# Altium PCB Inductive_Leveler.PcbDoc (continued)
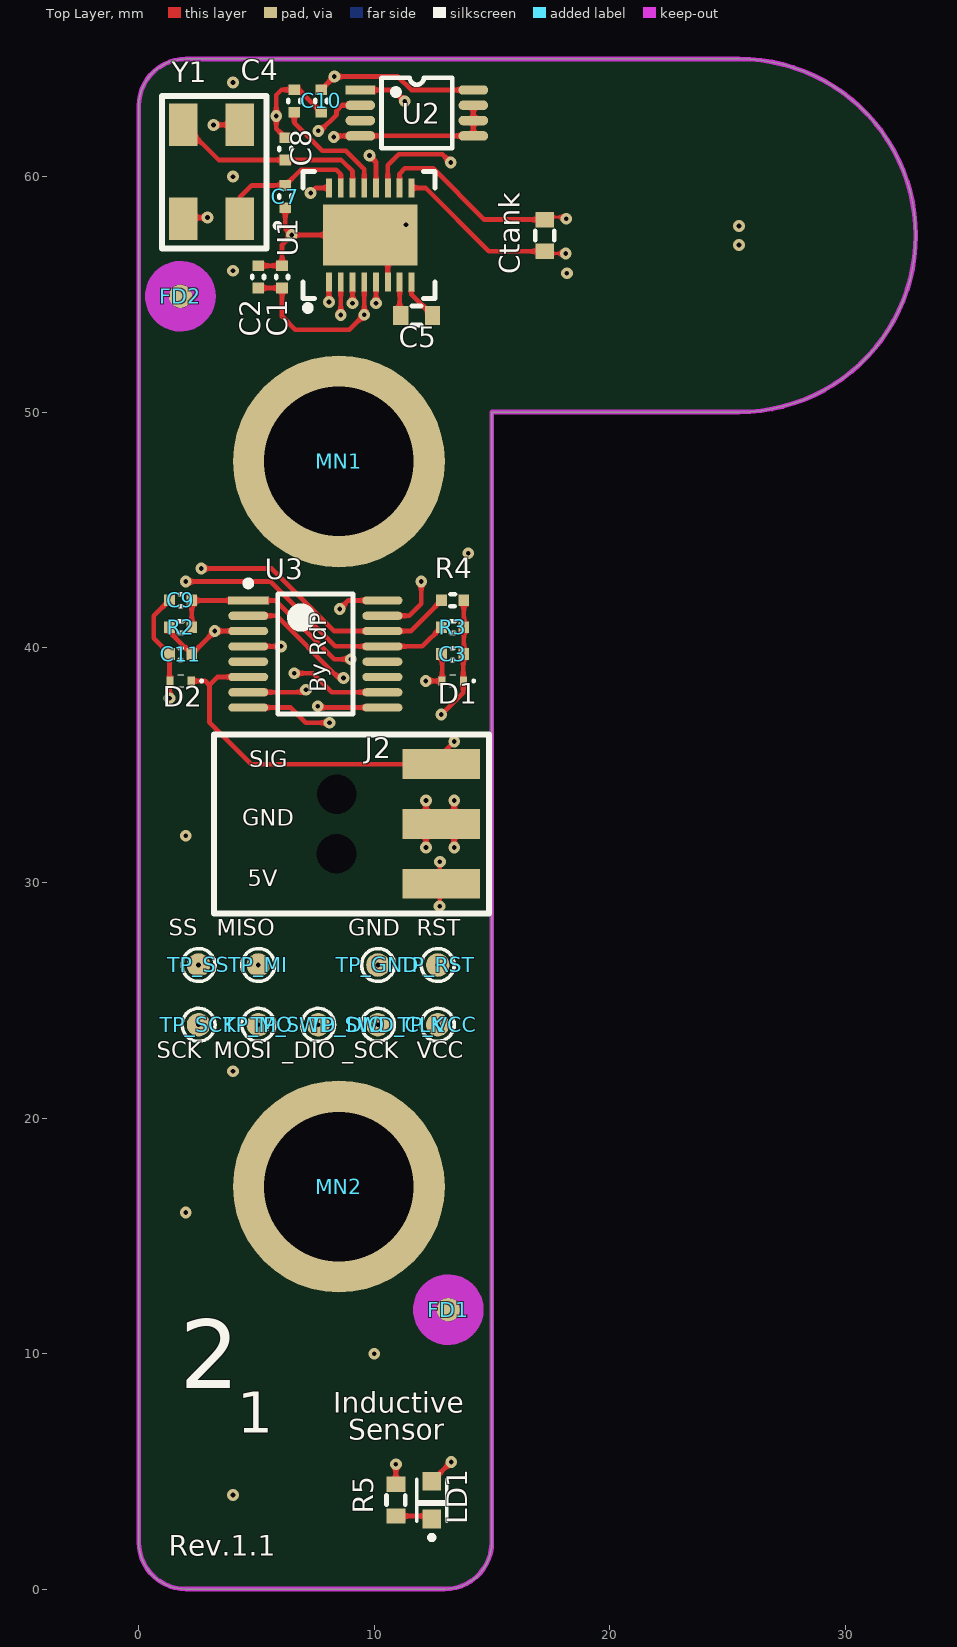
[diagram p0: Top Layer view]
## Footprints (in the part's own frame and the unit in brackets; to place one, negate y for a bottom-side part, rotate by r counter-clockwise, add the part's x,y. Pads: shape width x height; smd on the part's side, far side on the other; paste and mask are expansions set on the pad)
"1x3 Header Angled SMD 2.54" [mm]
  rect 1.27x3.3 smd: 1(0,0) 2(2.54,0) 3(5.08,0)
  silkscreen extent -1.27,-2.03 6.35,9.65, body extent -1.27,-1.4 6.35,11.55, height 3.02
C0402 [mm] "Chip Capacitor, Body 1.0x0.5mm, IPC High Density"
  rect 0.45x0.5 smd: 1(-0.475,0) 2(0.475,0)
  silkscreen extent -0.05,-0.25 0.05,0.25, body extent -0.51,-0.25 0.49,0.25, height 0.5
C0603 [mm] "Chip Capacitor, Body 1.6x0.8mm, IPC High Density"
  rect 0.65x0.8 smd: 1(-0.675,0) 2(0.675,0)
  silkscreen extent -0.2,-0.4 0.2,0.4, body extent -0.81,-0.4 0.79,0.4, height 0.6
Fiducial_1mm [mm] "Marcas Fiduciales para montador"
  round 1 smd paste+0 mask+1: ""(0,0)
  Top Layer keep-out circle w1: c0,0 r1
LDC1000 [mm]
  rect 0.25x0.8 smd: 1(0,0) 2(0.5,0) 3(1,0) 4(1.5,0) 5(2,0) 6(2.5,0) 7(3,0) 8(3.5,0) 9(3.5,4) 10(3,4) 11(2.5,4) 12(2,4) 13(1.5,4) 14(1,4) 15(0.5,4) 16(0,4)
  rect 4x2.6 smd: 17(1.75,2)
  silkscreen extent -1.1,-1.2 4.5,4.7, body extent -0.8,0 4.2,4, height 0.8
LED0603 [mm] "0603 1.6x0.8mm"
  rect 0.8x0.8 smd: A(0,0.8) K(0,-0.8)
  silkscreen extent -0.64,-1.69 0.63,0.89, body extent -0.37,-0.81 0.36,0.84, height 0.68
MSOP8 [mm] "MSOP, 8-Leads, Body 3x3mm, Pitch 0.65mm"
  rect 1.26x0.4 smd: 1(-2.4,0.975)
  oval 1.26x0.4 smd: 2(-2.4,0.325) 3(-2.4,-0.325) 4(-2.4,-0.975) 5(2.4,-0.975) 6(2.4,-0.325) 7(2.4,0.325) 8(2.4,0.975)
  silkscreen extent -1.5,-1.5 1.5,1.5, body extent -2.5,-1.48 2.5,1.52, height 0.59
R0402 [mm] "Chip Resistor, Body 1.0x0.5mm, IPC High Density"
  rect 0.45x0.5 smd: 1(-0.475,0) 2(0.475,0)
  silkscreen extent -0.1,-0.25 0.1,0.25, body extent -0.5,-0.25 0.5,0.25, height 0.3
R0603 [mm] "Chip Resistor, Body 1.6x0.8mm, IPC High Density"
  rect 0.65x0.8 smd: 1(-0.675,0) 2(0.675,0)
  silkscreen extent -0.2,-0.4 0.2,0.4, body extent -0.81,-0.4 0.79,0.4, height 0.4
SMTSO-M4-4ET [mm]
  round 9 / inner round 9.37 / far side round 7.35 hole 6.35: 1(0,0)
  body extent -4.37,-4.36 4.37,4.37, height 4.03
SOD923 [mm] "SOD923, 2-Leads, Body 0,80x0,60mm, IPC Medium Density"
  rect 0.3x0.4 smd: A(-0.45,0) K(0.45,0)
  silkscreen extent -0.13,-0.25 0.94,0.25, body extent -0.5,-0.3 0.5,0.3, height 0.4
TP_SMD_1mm [mm] "Testpoint 1mm"
  round 1 smd paste-1 mask+0.1: 1(0,0)
  silkscreen extent -0.7,-0.7 0.7,0.7
TSSOP16 [mm] "TSSOP, 16-Leads, Body 5.0x4.4mm, Pitch 0.65mm"
  rect 0.35x1.7 smd: 1(-2.275,-2.85)
  oval 0.35x1.7 smd: 2(-1.625,-2.85) 3(-0.975,-2.85) 4(-0.325,-2.85) 5(0.325,-2.85) 6(0.975,-2.85) 7(1.625,-2.85) 8(2.275,-2.85) 9(2.275,2.85) 10(1.625,2.85) 11(0.975,2.85) 12(0.325,2.85) 13(-0.325,2.85) 14(-0.975,2.85) 15(-1.625,2.85) 16(-2.275,2.85)
  silkscreen extent -3.12,-2.97 2.55,1.6, body extent -2.56,-3.23 2.54,3.17, height 1.2
"XTAL 5X3.2mm_alternate" [mm]
  rect 1.8x1.2 smd: 1(0,0) 2(4,0) 3(4,2.4) 4(0,2.4)
  silkscreen extent -1.27,-1.7 5.21,3.3, body extent -1.27,-1.14 5.21,3.3, height 1.3

## Part data
C1: library part C0402_1uF_16V_±10%, "Capacitor SMD"
C2 C3 C9 C10 C11: library part C0402_100nF_16V_±10%, "Capacitor SMD"
C4: library part C0402_56nF_16V_±10%, "Capacitor SMD"
C5: library part C0603_56pF_16V_±10%, "Capacitor SMD"
C7 C8: library part C0402_10pF_16V_±10%, "Capacitor SMD"
Ctank: library part C0603_22pF_25V_±10%, "Capacitor SMD"
D1 D2: library part "TVS 5Vdc Low Cap", "Protection, Transient Suppression Diode"
FD1 FD2: library part "Fiducial 1mm", "Fiducial Mark"
J2: library part CON_TPH_SMDA2.54_3, "Connector, 1x3 pin Header 2.54mm"
LD1: library part "LS Q976-NR-1", "Light Emitting Diode"
MN1 MN2: library part SMTSO-M4-4ET, "SMTSO Mounting Nut"
R2 R3 R4: library part R0402_10k_0.063W_±5%, "Resistor, SMD"
R5: library part R0603_180R_0.1W_±5%, "Resistor, SMD"
TP_GND TP_MI TP_MO TP_RST TP_SCK TP_SS TP_SWD_CLK TP_SWD_DIO TP_VCC: library part TP_SMD_1mm
U1: library part "Inductive Sensor", "Sensor, Inductance"
U2: "SENSOR TEMP"
U3: "Processor, 32-bit microcontroller"
Y1: library part "ABM3B 8MHz", "Crystal 4 pin"

## Free pads (board coordinates)
  round 0.1 hole 1.68: 0(8.4,31.23) 0(8.4,33.77)

## Via types
v1: diameter 0.5, hole 0.2, Top Layer to Bottom Layer, 64 vias

## Nets (pads, with @x,y where several pads share a name; then routed paths per layer and width w, separated by ;. In a path a pad name is that pad's centre, name@x,y a point inside that pad or via, vN(x,y) a via of type N, cw(c..) or ccw(c..) an arc to the next point about the centre after c; other vN are vias at no path point)
5V: C1.2 C2.2 C3.2 C10.2 C11.2 D1.K J2.1 R2.2 R3.2 R4.2 TP_VCC.1 U1.4 U1.12 U2.8 U3.3 | length 27.5
  Top Layer w0.2: R2.2 1.303,40.668 C11.2 v1(3.23,40.695) U3.3 ; C2.2 C1.2 6.088,54.062 6.65,53.5 8.95,53.5 v1(9.58,54.13) U1.4 ; C10.2 v1(8.309,64.25) 11,64.25 11.57,63.68 U2.8 ; v1(9.8,60.9) 10.08,60.62 U1.12 ; v1(12.78,29.01) 12.78,30.01 12.79,30.02 v1(12.79,30.9) ; v1(12.85,37.15) 13.785,38.085 D1.K C3.2@13.785,39.693 ; C3.2 R3.2 R4.2
  other v1: 12.7,23.97
#INT: U1.16 U3.15 | length 23.7
  Top Layer w0.2: v1(7.3,59.3) 7.52,59.52 U1.16 ; U3.15 11.495,41.345 12,41.85 v1(12,42.8)
  Signal1 w0.2: v1(7.3,59.3) 7.3,58.5 13.9,51.9 13.9,44.7 v1(12,42.8)
#RESET: C9.2 R2.1 TP_RST.1 U3.1 | length 23.4
  Top Layer w0.2: R2.1 C9.2 ; C9.2@2.262,41.995 U3.1 5.805,41.995 8.3,39.5 v1(9,39.5)
  Signal1 w0.2: v1(9,39.5) 9.3,39.2 9.3,37.5 10.4,36.4 10.4,28.81 v1(12.7,26.51)
#SS: TP_SS.1 U1.2 U3.7 | length 40.5
  Top Layer w0.2: U3.7 6.995,38.095 v1(7.1,38.2) ; v1(8.58,54.12) U1.2
  Signal1 w0.2: v1(2.54,26.51) 3.62,27.59 3.62,34.72 v1(7.1,38.2) 7.1,40.4 2.2,45.3 2.2,51.95 4.37,54.12 v1(8.58,54.12)
AGND: C1.1 C2.1 C3.1 C4.1 C7.1 C8.1 C9.1 C10.1 C11.1 D1.A D2.A J2.2 R5.1 TP_GND.1 U1.6 U1.11 U1.17 U2.4 U2.5 U2.6 U2.7 U3.4 Y1.2 Y1.4 | length 38.8
  Top Layer w0.2: v1(1.303,37.846) C11.1 0.635,40.386 0.635,41.336 C9.1 ; Y1.4@1.94,58.26 v1(2.921,58.26) ; v1(3.175,62.197) Y1.2@4.277,62.197 ; U3.4 v1(6.042,40.045) ; C2.1 C1.1 6.088,57.109 v1(6.499,57.52) ; C7.1 6.223,57.796 v1(6.499,57.52) ; C8.1 5.842,62.037 v1(5.842,62.578) 5.842,63.467 6.063,63.688 C4.1 6.797,63.688 C10.1 ; v1(8.28,61.68) 8.33,61.73 U2.4 U2.5 U2.6 U2.7 ; U1.17 v1(6.499,57.52) ; U1.6 U1.17@10.58,56.77 ; U1.11 10.58,60.48 11.05,60.95 12.9,60.95 v1(13.25,60.6) ; R5.1 v1(10.922,5.301) ; v1(12.192,38.575) D1.A C3.1@12.885,39.693 ; v1(12.2,31.5) v1(12.2,33.5) ; v1(13.4,31.5) v1(13.4,33.5)
  other v1: 4,4 10,10 2,16 4,22 10.16,26.51 2,32 14,44 4,56 11.35,57.95 4,60 4,64
MISO: TP_MI.1 U1.5 U3.8 | length 41.8
  Top Layer w0.2: U3.8 6.455,37.445 7.1,36.8 v1(8.1,36.8) ; v1(10.08,54.62) U1.5
  Signal1 w0.2: v1(5.08,26.51) 5.08,33.78 v1(8.1,36.8) 8.1,40.6 3.1,45.6 3.1,51.5 4.85,53.25 8,53.25 8.05,53.2 9.65,53.2 10.08,53.63 v1(10.08,54.62)
MOSI: TP_MO.1 U1.3 U3.9 | length 43.5
  Top Layer w0.2: v1(7.6,37.5) 7.655,37.445 U3.9 ; v1(9.08,54.62) U1.3
  Signal1 w0.2: v1(5.08,23.97) 4.15,24.9 4.15,34.05 v1(7.6,37.5) 7.6,40.5 2.65,45.45 2.65,51.75 4.6,53.7 8.2,53.7 8.3,53.6 8.85,53.6 9.08,53.83 v1(9.08,54.62)
NetC4_2: C4.2 U1.13 | length 5
  Top Layer w0.2: C4.2 6.604,62.296 7.8,61.1 8.8,61.1 9.58,60.32 U1.13
NetC5_1: C5.1 U1.8 | length 1.8
  Top Layer w0.2: U1.8 11.58,54.995 C5.1
NetC5_2: C5.2 U1.7 | length 1.4
  Top Layer w0.2: U1.7 11.08,54.145 C5.2
NetC7_2: C7.2 U1.15 Y1.1 | length 6.3
  Top Layer w0.2: Y1.1 4.29,59.121 4.793,59.624 C7.2 6.891,60.292 8.382,60.292 8.58,60.094 U1.15
NetC8_2: C8.2 U1.14 Y1.3 | length 8.7
  Top Layer w0.2: Y1.3 3.394,60.706 C8.2 8.603,60.706 9.08,60.229 U1.14
NetCtank_1: Ctank.1 Ctank.2 U1.9 U1.10 | length 2913.9
  Top Layer w0.102: Ctank.1 17.245,56.737 v1(18.134,56.737) ; Ctank.2@17.397,58.286 18.058,58.286 v1(18.159,58.21)
  Top Layer w0.2: U1.10 11.08,60.13 11.3,60.35 12.5,60.35 14.676,58.174 Ctank.2 ; U1.9 12.18,59.52 14.876,56.824 Ctank.1
  PWR w0.102: v1(18.185,55.899) 18.49,55.899 18.779,56.395 18.49,57.499 19.443,60.996 22.012,63.541 25.5,64.459 28.971,63.512 31.498,60.962 32.409,57.499 31.469,54.053 28.937,51.545 25.5,50.641 22.079,51.574 19.59,54.087 18.693,57.499 19.619,60.894 22.113,63.365 25.5,64.255 28.87,63.336 31.322,60.86 32.206,57.499 31.293,54.155 28.836,51.721 25.5,50.844 22.181,51.75 19.766,54.189 18.896,57.499 19.795,60.793 22.215,63.189 25.5,64.052 28.768,63.16 31.146,60.759 32.002,57.499 31.117,54.256 28.734,51.897 25.5,51.047 22.283,51.926 19.942,54.29 19.099,57.499 19.971,60.691 22.317,63.013 25.5,63.849 28.667,62.984 30.97,60.657 31.799,57.499 30.941,54.358 28.633,52.073 25.5,51.251 22.384,52.102 20.118,54.392 19.302,57.499 20.147,60.589 22.418,62.837 25.5,63.646 28.565,62.808 30.794,60.555 31.596,57.499 30.765,54.459 28.531,52.249 25.5,51.454 22.486,52.278 20.294,54.493 19.506,57.499 20.323,60.488 22.52,62.661 25.5,63.443 28.463,62.632 30.618,60.454 31.393,57.499 30.589,54.561 28.429,52.425 25.5,51.657 22.587,52.454 20.47,54.595 19.709,57.499 20.499,60.386 22.621,62.485 25.5,63.239 28.362,62.456 30.442,60.352 31.19,57.499 30.413,54.663 28.328,52.601 25.5,51.86 22.689,52.63 20.646,54.697 19.912,57.499 20.675,60.285 22.723,62.309 25.5,63.036 28.26,62.28 30.266,60.251 30.986,57.499 30.237,54.764 28.226,52.777 25.5,52.063 22.791,52.806 20.822,54.798 20.115,57.499 20.851,60.183 22.825,62.133 25.5,62.833 28.159,62.104 30.09,60.149 30.783,57.499 30.061,54.866 28.125,52.953 25.5,52.267 22.892,52.982 20.998,54.9 20.318,57.499 21.027,60.081 22.926,61.957 25.5,62.63 28.057,61.928 29.914,60.047 30.58,57.499 29.885,54.967 28.023,53.129 25.5,52.47 22.994,53.158 21.174,55.001 20.522,57.499 21.203,59.98 23.028,61.781 25.5,62.427 27.955,61.752 29.738,59.946 30.377,57.499 29.709,55.069 27.921,53.305 25.5,52.673 23.095,53.334 21.35,55.103 20.725,57.499 21.379,59.878 23.129,61.605 25.5,62.223 27.854,61.576 29.562,59.844 30.174,57.499 29.533,55.171 27.82,53.481 25.5,52.876 23.197,53.51 21.526,55.205 20.928,57.499 21.555,59.777 23.231,61.429 25.5,62.02 27.752,61.4 29.386,59.743 29.97,57.499 29.357,55.272 27.718,53.657 25.5,53.079 23.299,53.686 21.702,55.306 21.131,57.499 21.731,59.675 23.333,61.253 25.5,61.817 27.651,61.224 29.21,59.641 29.767,57.499 29.181,55.374 27.617,53.833 25.5,53.283 23.4,53.862 21.878,55.408 21.334,57.499 21.907,59.573 23.434,61.077 25.5,61.614 27.549,61.048 29.034,59.539 29.564,57.499 29.005,55.475 27.515,54.009 25.5,53.486 23.502,54.038 22.054,55.509 21.538,57.499 22.083,59.472 23.536,60.901 25.5,61.411 27.447,60.872 28.858,59.438 29.361,57.499 28.829,55.577 27.413,54.185 25.5,53.689 23.603,54.214 22.23,55.611 21.741,57.499 22.259,59.37 23.637,60.725 25.5,61.207 27.346,60.696 28.682,59.336 29.158,57.499 28.653,55.679 27.312,54.361 25.5,53.892 23.705,54.39 22.406,55.713 21.944,57.499 22.435,59.269 23.739,60.549 25.5,61.004 27.244,60.52 28.506,59.235 28.954,57.499 28.477,55.78 27.21,54.537 25.5,54.095 23.807,54.566 22.582,55.814 22.147,57.499 22.611,59.167 23.841,60.373 25.5,60.801 27.143,60.344 28.33,59.133 28.751,57.499 28.301,55.882 27.109,54.713 25.5,54.299 23.908,54.742 22.758,55.916 22.35,57.499 22.787,59.065 23.942,60.197 25.5,60.598 27.041,60.168 28.154,59.031 28.548,57.499 28.125,55.983 27.007,54.889 25.5,54.502 24.01,54.918 22.934,56.017 22.554,57.499 22.963,58.964 24.044,60.021 25.5,60.395 26.939,59.992 27.978,58.93 28.345,57.499 27.949,56.085 26.905,55.065 25.5,54.705 24.111,55.094 23.11,56.119 22.757,57.499 23.139,58.862 24.145,59.845 25.5,60.191 26.838,59.816 27.802,58.828 28.142,57.499 27.773,56.187 26.804,55.241 25.5,54.908 24.213,55.27 23.286,56.221 22.96,57.499 23.315,58.761 24.247,59.669 25.5,59.988 26.736,59.64 27.626,58.727 27.938,57.499 27.597,56.288 26.702,55.417 25.5,55.111 24.315,55.446 23.462,56.322 23.163,57.499 23.491,58.659 24.349,59.493 25.5,59.785 26.635,59.464 27.45,58.625 27.735,57.499 27.421,56.39 26.601,55.593 25.5,55.315 24.416,55.622 23.638,56.424 23.366,57.499 23.667,58.557 24.45,59.317 25.5,59.582 26.533,59.288 27.274,58.523 27.532,57.499 27.245,56.491 26.499,55.769 25.5,55.518 24.518,55.798 23.814,56.525 23.57,57.499 23.843,58.456 24.552,59.141 25.5,59.379 26.431,59.112 27.098,58.422 27.329,57.499 27.069,56.593 26.397,55.945 25.5,55.721 24.619,55.974 23.99,56.627 23.773,57.499 24.019,58.354 24.653,58.965 25.5,59.175 26.33,58.936 26.922,58.32 27.126,57.499 26.893,56.695 26.296,56.121 25.5,55.924 24.721,56.15 24.166,56.729 23.976,57.499 24.195,58.253 24.755,58.789 25.5,58.972 26.228,58.76 26.746,58.219 26.922,57.499 26.717,56.796 26.194,56.296 25.5,56.127 24.823,56.326 24.341,56.83 24.179,57.499 24.371,58.151 24.857,58.614 25.5,58.769 26.127,58.584 26.571,58.117 26.719,57.499 26.541,56.898 26.093,56.472 25.5,56.331 24.924,56.502 24.517,56.932 24.382,57.499 25.5,57.499 v1(25.5,57.905)
  GND2 w0.102: v1(18.134,56.737) 18.134,57.397 18.261,57.524 18.591,57.524 ; 18.591,57.499 19.531,54.053 22.063,51.545 25.5,50.641 28.921,51.574 31.41,54.087 32.307,57.499 31.381,60.894 28.887,63.365 25.5,64.255 22.13,63.336 19.678,60.86 18.794,57.499 19.707,54.155 22.164,51.721 25.5,50.844 28.819,51.75 31.234,54.189 32.104,57.499 31.205,60.793 28.785,63.189 25.5,64.052 22.232,63.16 19.854,60.759 18.998,57.499 19.883,54.256 22.266,51.897 25.5,51.047 28.717,51.926 31.058,54.29 31.901,57.499 31.029,60.691 28.683,63.013 25.5,63.849 22.333,62.984 20.03,60.657 19.201,57.499 20.059,54.358 22.367,52.073 25.5,51.251 28.616,52.102 30.882,54.392 31.698,57.499 30.853,60.589 28.582,62.837 25.5,63.646 22.435,62.808 20.206,60.555 19.404,57.499 20.235,54.459 22.469,52.249 25.5,51.454 28.514,52.278 30.706,54.493 31.494,57.499 30.677,60.488 28.48,62.661 25.5,63.443 22.537,62.632 20.382,60.454 19.607,57.499 20.411,54.561 22.571,52.425 25.5,51.657 28.413,52.454 30.53,54.595 31.291,57.499 30.501,60.386 28.379,62.485 25.5,63.239 22.638,62.456 20.558,60.352 19.81,57.499 20.587,54.663 22.672,52.601 25.5,51.86 28.311,52.63 30.354,54.697 31.088,57.499 30.325,60.285 28.277,62.309 25.5,63.036 22.74,62.28 20.734,60.251 20.014,57.499 20.763,54.764 22.774,52.777 25.5,52.063 28.209,52.806 30.178,54.798 30.885,57.499 30.149,60.183 28.175,62.133 25.5,62.833 22.841,62.104 20.91,60.149 20.217,57.499 20.939,54.866 22.875,52.953 25.5,52.267 28.108,52.982 30.002,54.9 30.682,57.499 29.973,60.081 28.074,61.957 25.5,62.63 22.943,61.928 21.086,60.047 20.42,57.499 21.115,54.967 22.977,53.129 25.5,52.47 28.006,53.158 29.826,55.001 30.478,57.499 29.797,59.98 27.972,61.781 25.5,62.427 23.045,61.752 21.262,59.946 20.623,57.499 21.291,55.069 23.079,53.305 25.5,52.673 27.905,53.334 29.65,55.103 30.275,57.499 29.621,59.878 27.871,61.605 25.5,62.223 23.146,61.576 21.438,59.844 20.826,57.499 21.467,55.171 23.18,53.481 25.5,52.876 27.803,53.51 29.474,55.205 30.072,57.499 29.445,59.777 27.769,61.429 25.5,62.02 23.248,61.4 21.614,59.743 21.03,57.499 21.643,55.272 23.282,53.657 25.5,53.079 27.701,53.686 29.298,55.306 29.869,57.499 29.269,59.675 27.667,61.253 25.5,61.817 23.349,61.224 21.79,59.641 21.233,57.499 21.819,55.374 23.383,53.833 25.5,53.283 27.6,53.862 29.122,55.408 29.666,57.499 29.093,59.573 27.566,61.077 25.5,61.614 23.451,61.048 21.966,59.539 21.436,57.499 21.995,55.475 23.485,54.009 25.5,53.486 27.498,54.038 28.946,55.509 29.462,57.499 28.917,59.472 27.464,60.901 25.5,61.411 23.553,60.872 22.142,59.438 21.639,57.499 22.171,55.577 23.587,54.185 25.5,53.689 27.397,54.214 28.77,55.611 29.259,57.499 28.741,59.37 27.363,60.725 25.5,61.207 23.654,60.696 22.318,59.336 21.842,57.499 22.347,55.679 23.688,54.361 25.5,53.892 27.295,54.39 28.594,55.713 29.056,57.499 28.565,59.269 27.261,60.549 25.5,61.004 23.756,60.52 22.494,59.235 22.046,57.499 22.523,55.78 23.79,54.537 25.5,54.095 27.193,54.566 28.418,55.814 28.853,57.499 28.389,59.167 27.159,60.373 25.5,60.801 23.857,60.344 22.67,59.133 22.249,57.499 22.699,55.882 23.891,54.713 25.5,54.299 27.092,54.742 28.242,55.916 28.65,57.499 28.213,59.065 27.058,60.197 25.5,60.598 23.959,60.168 22.846,59.031 22.452,57.499 22.875,55.983 23.993,54.889 25.5,54.502 26.99,54.918 28.066,56.017 28.446,57.499 28.037,58.964 26.956,60.021 25.5,60.395 24.061,59.992 23.022,58.93 22.655,57.499 23.051,56.085 24.095,55.065 25.5,54.705 26.889,55.094 27.89,56.119 28.243,57.499 27.861,58.862 26.855,59.845 25.5,60.191 24.162,59.816 23.198,58.828 22.858,57.499 23.227,56.187 24.196,55.241 25.5,54.908 26.787,55.27 27.714,56.221 28.04,57.499 27.685,58.761 26.753,59.669 25.5,59.988 24.264,59.64 23.374,58.727 23.062,57.499 23.403,56.288 24.298,55.417 25.5,55.111 26.685,55.446 27.538,56.322 27.837,57.499 27.509,58.659 26.651,59.493 25.5,59.785 24.365,59.464 23.55,58.625 23.265,57.499 23.579,56.39 24.399,55.593 25.5,55.315 26.584,55.622 27.362,56.424 27.634,57.499 27.333,58.557 26.55,59.317 25.5,59.582 24.467,59.288 23.726,58.523 23.468,57.499 23.755,56.491 24.501,55.769 25.5,55.518 26.482,55.798 27.186,56.525 27.43,57.499 27.157,58.456 26.448,59.141 25.5,59.379 24.569,59.112 23.902,58.422 23.671,57.499 23.931,56.593 24.603,55.945 25.5,55.721 26.381,55.974 27.01,56.627 27.227,57.499 26.981,58.354 26.347,58.965 25.5,59.175 24.67,58.936 24.078,58.32 23.874,57.499 24.107,56.695 24.704,56.121 25.5,55.924 26.279,56.15 26.834,56.729 27.024,57.499 26.805,58.253 26.245,58.789 25.5,58.972 24.772,58.76 24.253,58.219 24.078,57.499 24.283,56.796 24.806,56.296 25.5,56.127 26.177,56.326 26.659,56.83 26.821,57.499 26.629,58.151 26.143,58.614 25.5,58.769 24.873,58.584 24.429,58.117 24.281,57.499 24.459,56.898 24.907,56.472 25.5,56.331 26.076,56.502 26.483,56.932 26.618,57.499 25.5,57.499 v1(25.5,57.905)
  GND1 w0.102: v1(18.159,58.21) 18.159,57.474 18.49,57.474 ; 18.49,57.499 19.443,60.996 22.012,63.541 25.5,64.459 28.971,63.512 31.498,60.962 32.409,57.499 31.469,54.053 28.937,51.545 25.5,50.641 22.079,51.574 19.59,54.087 18.693,57.499 19.619,60.894 22.113,63.365 25.5,64.255 28.87,63.336 31.322,60.86 32.206,57.499 31.293,54.155 28.836,51.721 25.5,50.844 22.181,51.75 19.766,54.189 18.896,57.499 19.795,60.793 22.215,63.189 25.5,64.052 28.768,63.16 31.146,60.759 32.002,57.499 31.117,54.256 28.734,51.897 25.5,51.047 22.283,51.926 19.942,54.29 19.099,57.499 19.971,60.691 22.317,63.013 25.5,63.849 28.667,62.984 30.97,60.657 31.799,57.499 30.941,54.358 28.633,52.073 25.5,51.251 22.384,52.102 20.118,54.392 19.302,57.499 20.147,60.589 22.418,62.837 25.5,63.646 28.565,62.808 30.794,60.555 31.596,57.499 30.765,54.459 28.531,52.249 25.5,51.454 22.486,52.278 20.294,54.493 19.506,57.499 20.323,60.488 22.52,62.661 25.5,63.443 28.463,62.632 30.618,60.454 31.393,57.499 30.589,54.561 28.429,52.425 25.5,51.657 22.587,52.454 20.47,54.595 19.709,57.499 20.499,60.386 22.621,62.485 25.5,63.239 28.362,62.456 30.442,60.352 31.19,57.499 30.413,54.663 28.328,52.601 25.5,51.86 22.689,52.63 20.646,54.697 19.912,57.499 20.675,60.285 22.723,62.309 25.5,63.036 28.26,62.28 30.266,60.251 30.986,57.499 30.237,54.764 28.226,52.777 25.5,52.063 22.791,52.806 20.822,54.798 20.115,57.499 20.851,60.183 22.825,62.133 25.5,62.833 28.159,62.104 30.09,60.149 30.783,57.499 30.061,54.866 28.125,52.953 25.5,52.267 22.892,52.982 20.998,54.9 20.318,57.499 21.027,60.081 22.926,61.957 25.5,62.63 28.057,61.928 29.914,60.047 30.58,57.499 29.885,54.967 28.023,53.129 25.5,52.47 22.994,53.158 21.174,55.001 20.522,57.499 21.203,59.98 23.028,61.781 25.5,62.427 27.955,61.752 29.738,59.946 30.377,57.499 29.709,55.069 27.921,53.305 25.5,52.673 23.095,53.334 21.35,55.103 20.725,57.499 21.379,59.878 23.129,61.605 25.5,62.223 27.854,61.576 29.562,59.844 30.174,57.499 29.533,55.171 27.82,53.481 25.5,52.876 23.197,53.51 21.526,55.205 20.928,57.499 21.555,59.777 23.231,61.429 25.5,62.02 27.752,61.4 29.386,59.743 29.97,57.499 29.357,55.272 27.718,53.657 25.5,53.079 23.299,53.686 21.702,55.306 21.131,57.499 21.731,59.675 23.333,61.253 25.5,61.817 27.651,61.224 29.21,59.641 29.767,57.499 29.181,55.374 27.617,53.833 25.5,53.283 23.4,53.862 21.878,55.408 21.334,57.499 21.907,59.573 23.434,61.077 25.5,61.614 27.549,61.048 29.034,59.539 29.564,57.499 29.005,55.475 27.515,54.009 25.5,53.486 23.502,54.038 22.054,55.509 21.538,57.499 22.083,59.472 23.536,60.901 25.5,61.411 27.447,60.872 28.858,59.438 29.361,57.499 28.829,55.577 27.413,54.185 25.5,53.689 23.603,54.214 22.23,55.611 21.741,57.499 22.259,59.37 23.637,60.725 25.5,61.207 27.346,60.696 28.682,59.336 29.158,57.499 28.653,55.679 27.312,54.361 25.5,53.892 23.705,54.39 22.406,55.713 21.944,57.499 22.435,59.269 23.739,60.549 25.5,61.004 27.244,60.52 28.506,59.235 28.954,57.499 28.477,55.78 27.21,54.537 25.5,54.095 23.807,54.566 22.582,55.814 22.147,57.499 22.611,59.167 23.841,60.373 25.5,60.801 27.143,60.344 28.33,59.133 28.751,57.499 28.301,55.882 27.109,54.713 25.5,54.299 23.908,54.742 22.758,55.916 22.35,57.499 22.787,59.065 23.942,60.197 25.5,60.598 27.041,60.168 28.154,59.031 28.548,57.499 28.125,55.983 27.007,54.889 25.5,54.502 24.01,54.918 22.934,56.017 22.554,57.499 22.963,58.964 24.044,60.021 25.5,60.395 26.939,59.992 27.978,58.93 28.345,57.499 27.949,56.085 26.905,55.065 25.5,54.705 24.111,55.094 23.11,56.119 22.757,57.499 23.139,58.862 24.145,59.845 25.5,60.191 26.838,59.816 27.802,58.828 28.142,57.499 27.773,56.187 26.804,55.241 25.5,54.908 24.213,55.27 23.286,56.221 22.96,57.499 23.315,58.761 24.247,59.669 25.5,59.988 26.736,59.64 27.626,58.727 27.938,57.499 27.597,56.288 26.702,55.417 25.5,55.111 24.315,55.446 23.462,56.322 23.163,57.499 23.491,58.659 24.349,59.493 25.5,59.785 26.635,59.464 27.45,58.625 27.735,57.499 27.421,56.39 26.601,55.593 25.5,55.315 24.416,55.622 23.638,56.424 23.366,57.499 23.667,58.557 24.45,59.317 25.5,59.582 26.533,59.288 27.274,58.523 27.532,57.499 27.245,56.491 26.499,55.769 25.5,55.518 24.518,55.798 23.814,56.525 23.57,57.499 23.843,58.456 24.552,59.141 25.5,59.379 26.431,59.112 27.098,58.422 27.329,57.499 27.069,56.593 26.397,55.945 25.5,55.721 24.619,55.974 23.99,56.627 23.773,57.499 24.019,58.354 24.653,58.965 25.5,59.175 26.33,58.936 26.922,58.32 27.126,57.499 26.893,56.695 26.296,56.121 25.5,55.924 24.721,56.15 24.166,56.729 23.976,57.499 24.195,58.253 24.755,58.789 25.5,58.972 26.228,58.76 26.746,58.219 26.922,57.499 26.717,56.796 26.194,56.296 25.5,56.127 24.823,56.326 24.341,56.83 24.179,57.499 24.371,58.151 24.857,58.614 25.5,58.769 26.127,58.584 26.571,58.117 26.719,57.499 26.541,56.898 26.093,56.472 25.5,56.331 24.924,56.502 24.517,56.932 24.382,57.499 25.5,57.499 v1(25.5,57.093)
  Signal1 w0.102: v1(18.185,55.899) 18.591,55.899 18.591,57.499 19.531,54.053 22.063,51.545 25.5,50.641 28.921,51.574 31.41,54.087 32.307,57.499 31.381,60.894 28.887,63.365 25.5,64.255 22.13,63.336 19.678,60.86 18.794,57.499 19.707,54.155 22.164,51.721 25.5,50.844 28.819,51.75 31.234,54.189 32.104,57.499 31.205,60.793 28.785,63.189 25.5,64.052 22.232,63.16 19.854,60.759 18.998,57.499 19.883,54.256 22.266,51.897 25.5,51.047 28.717,51.926 31.058,54.29 31.901,57.499 31.029,60.691 28.683,63.013 25.5,63.849 22.333,62.984 20.03,60.657 19.201,57.499 20.059,54.358 22.367,52.073 25.5,51.251 28.616,52.102 30.882,54.392 31.698,57.499 30.853,60.589 28.582,62.837 25.5,63.646 22.435,62.808 20.206,60.555 19.404,57.499 20.235,54.459 22.469,52.249 25.5,51.454 28.514,52.278 30.706,54.493 31.494,57.499 30.677,60.488 28.48,62.661 25.5,63.443 22.537,62.632 20.382,60.454 19.607,57.499 20.411,54.561 22.571,52.425 25.5,51.657 28.413,52.454 30.53,54.595 31.291,57.499 30.501,60.386 28.379,62.485 25.5,63.239 22.638,62.456 20.558,60.352 19.81,57.499 20.587,54.663 22.672,52.601 25.5,51.86 28.311,52.63 30.354,54.697 31.088,57.499 30.325,60.285 28.277,62.309 25.5,63.036 22.74,62.28 20.734,60.251 20.014,57.499 20.763,54.764 22.774,52.777 25.5,52.063 28.209,52.806 30.178,54.798 30.885,57.499 30.149,60.183 28.175,62.133 25.5,62.833 22.841,62.104 20.91,60.149 20.217,57.499 20.939,54.866 22.875,52.953 25.5,52.267 28.108,52.982 30.002,54.9 30.682,57.499 29.973,60.081 28.074,61.957 25.5,62.63 22.943,61.928 21.086,60.047 20.42,57.499 21.115,54.967 22.977,53.129 25.5,52.47 28.006,53.158 29.826,55.001 30.478,57.499 29.797,59.98 27.972,61.781 25.5,62.427 23.045,61.752 21.262,59.946 20.623,57.499 21.291,55.069 23.079,53.305 25.5,52.673 27.905,53.334 29.65,55.103 30.275,57.499 29.621,59.878 27.871,61.605 25.5,62.223 23.146,61.576 21.438,59.844 20.826,57.499 21.467,55.171 23.18,53.481 25.5,52.876 27.803,53.51 29.474,55.205 30.072,57.499 29.445,59.777 27.769,61.429 25.5,62.02 23.248,61.4 21.614,59.743 21.03,57.499 21.643,55.272 23.282,53.657 25.5,53.079 27.701,53.686 29.298,55.306 29.869,57.499 29.269,59.675 27.667,61.253 25.5,61.817 23.349,61.224 21.79,59.641 21.233,57.499 21.819,55.374 23.383,53.833 25.5,53.283 27.6,53.862 29.122,55.408 29.666,57.499 29.093,59.573 27.566,61.077 25.5,61.614 23.451,61.048 21.966,59.539 21.436,57.499 21.995,55.475 23.485,54.009 25.5,53.486 27.498,54.038 28.946,55.509 29.462,57.499 28.917,59.472 27.464,60.901 25.5,61.411 23.553,60.872 22.142,59.438 21.639,57.499 22.171,55.577 23.587,54.185 25.5,53.689 27.397,54.214 28.77,55.611 29.259,57.499 28.741,59.37 27.363,60.725 25.5,61.207 23.654,60.696 22.318,59.336 21.842,57.499 22.347,55.679 23.688,54.361 25.5,53.892 27.295,54.39 28.594,55.713 29.056,57.499 28.565,59.269 27.261,60.549 25.5,61.004 23.756,60.52 22.494,59.235 22.046,57.499 22.523,55.78 23.79,54.537 25.5,54.095 27.193,54.566 28.418,55.814 28.853,57.499 28.389,59.167 27.159,60.373 25.5,60.801 23.857,60.344 22.67,59.133 22.249,57.499 22.699,55.882 23.891,54.713 25.5,54.299 27.092,54.742 28.242,55.916 28.65,57.499 28.213,59.065 27.058,60.197 25.5,60.598 23.959,60.168 22.846,59.031 22.452,57.499 22.875,55.983 23.993,54.889 25.5,54.502 26.99,54.918 28.066,56.017 28.446,57.499 28.037,58.964 26.956,60.021 25.5,60.395 24.061,59.992 23.022,58.93 22.655,57.499 23.051,56.085 24.095,55.065 25.5,54.705 26.889,55.094 27.89,56.119 28.243,57.499 27.861,58.862 26.855,59.845 25.5,60.191 24.162,59.816 23.198,58.828 22.858,57.499 23.227,56.187 24.196,55.241 25.5,54.908 26.787,55.27 27.714,56.221 28.04,57.499 27.685,58.761 26.753,59.669 25.5,59.988 24.264,59.64 23.374,58.727 23.062,57.499 23.403,56.288 24.298,55.417 25.5,55.111 26.685,55.446 27.538,56.322 27.837,57.499 27.509,58.659 26.651,59.493 25.5,59.785 24.365,59.464 23.55,58.625 23.265,57.499 23.579,56.39 24.399,55.593 25.5,55.315 26.584,55.622 27.362,56.424 27.634,57.499 27.333,58.557 26.55,59.317 25.5,59.582 24.467,59.288 23.726,58.523 23.468,57.499 23.755,56.491 24.501,55.769 25.5,55.518 26.482,55.798 27.186,56.525 27.43,57.499 27.157,58.456 26.448,59.141 25.5,59.379 24.569,59.112 23.902,58.422 23.671,57.499 23.931,56.593 24.603,55.945 25.5,55.721 26.381,55.974 27.01,56.627 27.227,57.499 26.981,58.354 26.347,58.965 25.5,59.175 24.67,58.936 24.078,58.32 23.874,57.499 24.107,56.695 24.704,56.121 25.5,55.924 26.279,56.15 26.834,56.729 27.024,57.499 26.805,58.253 26.245,58.789 25.5,58.972 24.772,58.76 24.253,58.219 24.078,57.499 24.283,56.796 24.806,56.296 25.5,56.127 26.177,56.326 26.659,56.83 26.821,57.499 26.629,58.151 26.143,58.614 25.5,58.769 24.873,58.584 24.429,58.117 24.281,57.499 24.459,56.898 24.907,56.472 25.5,56.331 26.076,56.502 26.483,56.932 26.618,57.499 25.5,57.499 v1(25.5,57.093)
NetLD1_K: LD1.K R5.2 | length 1.6
  Top Layer w0.2: R5.2 12.321,3.102 LD1.K
PTB6: D2.K J2.3 LD1.A U3.6 | length 48.3
  Top Layer w0.2: D2.K 2.825,38.575 3,38.4 ; U3.6 3.345,38.745 3,38.4 ; LD1.A v1(13.269,5.4) ; v1(13.4,36) 12.85,35.45 J2.3 4.78,35.04 3,36.82 3,38.4
  Signal1 w0.2: v1(13.269,5.4) 13.97,6.101 13.97,35.43 v1(13.4,36)
SCK: TP_SCK.1 U1.1 U3.10 | length 45.2
  Top Layer w0.2: v1(6.6,38.9) 7.4,38.9 8.205,38.095 U3.10 ; v1(8.08,54.67) U1.1
  Signal1 w0.2: v1(2.54,23.97) 1.31,25.2 1.31,27.28 3.04,29.01 3.04,35.34 v1(6.6,38.9) 6.6,40.3 1.75,45.15 1.75,52.15 4.27,54.67 v1(8.08,54.67)
SCL: R3.1 U2.2 U3.13 | length 37.1
  Top Layer w0.2: v1(2,42.8) 5.6,42.8 8.355,40.045 U3.13 12.044,40.045 R3.1 ; v1(7.62,61.943) 7.713,61.943 8.4,62.63 8.4,62.8 8.63,63.03 U2.2
  Signal1 w0.2: v1(2,42.8) 2,43.7 0.85,44.85 0.85,54.45 7.62,61.22 v1(7.62,61.943)
SDA: R4.1 U2.1 U3.14 | length 39.1
  Top Layer w0.2: v1(2.65,43.35) 5.65,43.35 8.305,40.695 U3.14 11.551,40.695 R4.1 ; U2.1 10.82,63.68 v1(11.3,63.2)
  Signal1 w0.2: v1(2.65,43.35) 2.65,43.65 1.3,45 1.3,54.3 7.3,60.3 7.8,60.3 10.7,63.2 v1(11.3,63.2)
SWD_CLK: TP_SWD_CLK.1 U3.16 | length 23.7
  Top Layer w0.2: v1(8.54,41.63) 8.905,41.995 U3.16
  Signal1 w0.2: v1(8.54,41.63) 10.91,39.26 10.91,29.54 13.39,27.06 13.39,25.95 12.74,25.3 11.49,25.3 v1(10.16,23.97)
SWD_DIO: TP_SWD_DIO.1 U3.2 | length 21.3
  Top Layer w0.2: U3.2 5.855,41.345 8.5,38.7 v1(8.7,38.7)
  Signal1 w0.2: v1(7.62,23.97) 8.89,25.24 8.89,27.78 9.9,28.79 9.9,36.1 8.7,37.3 v1(8.7,38.7)
pads on no net: FD1. FD2. MN1.1 MN2.1 U2.3 U3.5 U3.11 U3.12

## Polygon pours and split planes (outlines as drawn)
AGND on GND1 "TLPlane" (solid, remove dead copper, pour order 4): 10.2,65 0,65 0,0 15,0 15,49.4 10.2,49.4
AGND on GND1 "TLPlane" (solid, remove dead copper, pour order 2): 14.859,65 10.5,65 10.5,49.7 14.859,49.7
5V on PWR "TLPlane" (solid, remove dead copper, pour order 6): 0,65 0,0 14.859,0 14.859,65
AGND on GND2 "TLPlane" (solid, remove dead copper, pour order 10): 0,64.991 0,-0.033 14.859,-0.033 14.859,64.991

## Keep-outs
Keep-Out Layer:
  the board outline again, w0.2

## Silkscreen, mask and mechanical layers (free items; w line width, h text height)
Top Overlay:
  text "By RdP" at 8.205,38.095 h1.2 r90
  text "SIG" at 4.7,34.68 h1.2
  text "GND" at 4.4,32.2 h1.2
  text "5V" at 4.635,29.619 h1.2
  text "SS" at 1.27,27.526 h1.2
  text "MISO" at 3.302,27.526 h1.2
  text "GND" at 8.89,27.526 h1.2
  text "RST" at 11.811,27.526 h1.2
  text "SCK" at 0.762,22.319 h1.2
  text "MOSI" at 3.175,22.319 h1.2
  text "_DIO" at 6.1,22.32 h1.2
  text "_SCK" at 8.64,22.32 h1.2
  text "VCC" at 11.811,22.319 h1.2
  text "2" at 1.75,7.58 h5
  text "Inductive" at 8.27,7.186 h1.5
  text "1" at 4.191,6.063 h3
  text "Sensor" at 8.905,6.043 h1.5
  text "Rev.1.1" at 1.27,1.11 h1.5
Bottom Overlay:
  drawing of 75199 lines, arcs and shapes, not listed
Mechanical 1:
  the board outline again, w0.2
Mechanical 5:
  lines w0.2: -4.62,57.5 25.5,57.5 ; 8.4,31.23 8.4,32.5 8.4,33.77 ; 15,50 15,64.22

## Dimensions
0,63 to 33,57.5 on Mechanical 5
2,65 to 2,-0.001 on Mechanical 5